# Altium PCB 脑电采集板V4.0.PcbDoc (part 1 of 2)
Units mil, origin at the board's own origin, x right, y up, seen from the top; angles counter-clockwise.
Board outline 2559.06 x 2362.2 mil, 2 copper layers (Top Layer, Bottom Layer); 141 components, 98 nets, 603 pads, 267 vias.
Unrouted connection lines stored in the file: 86.
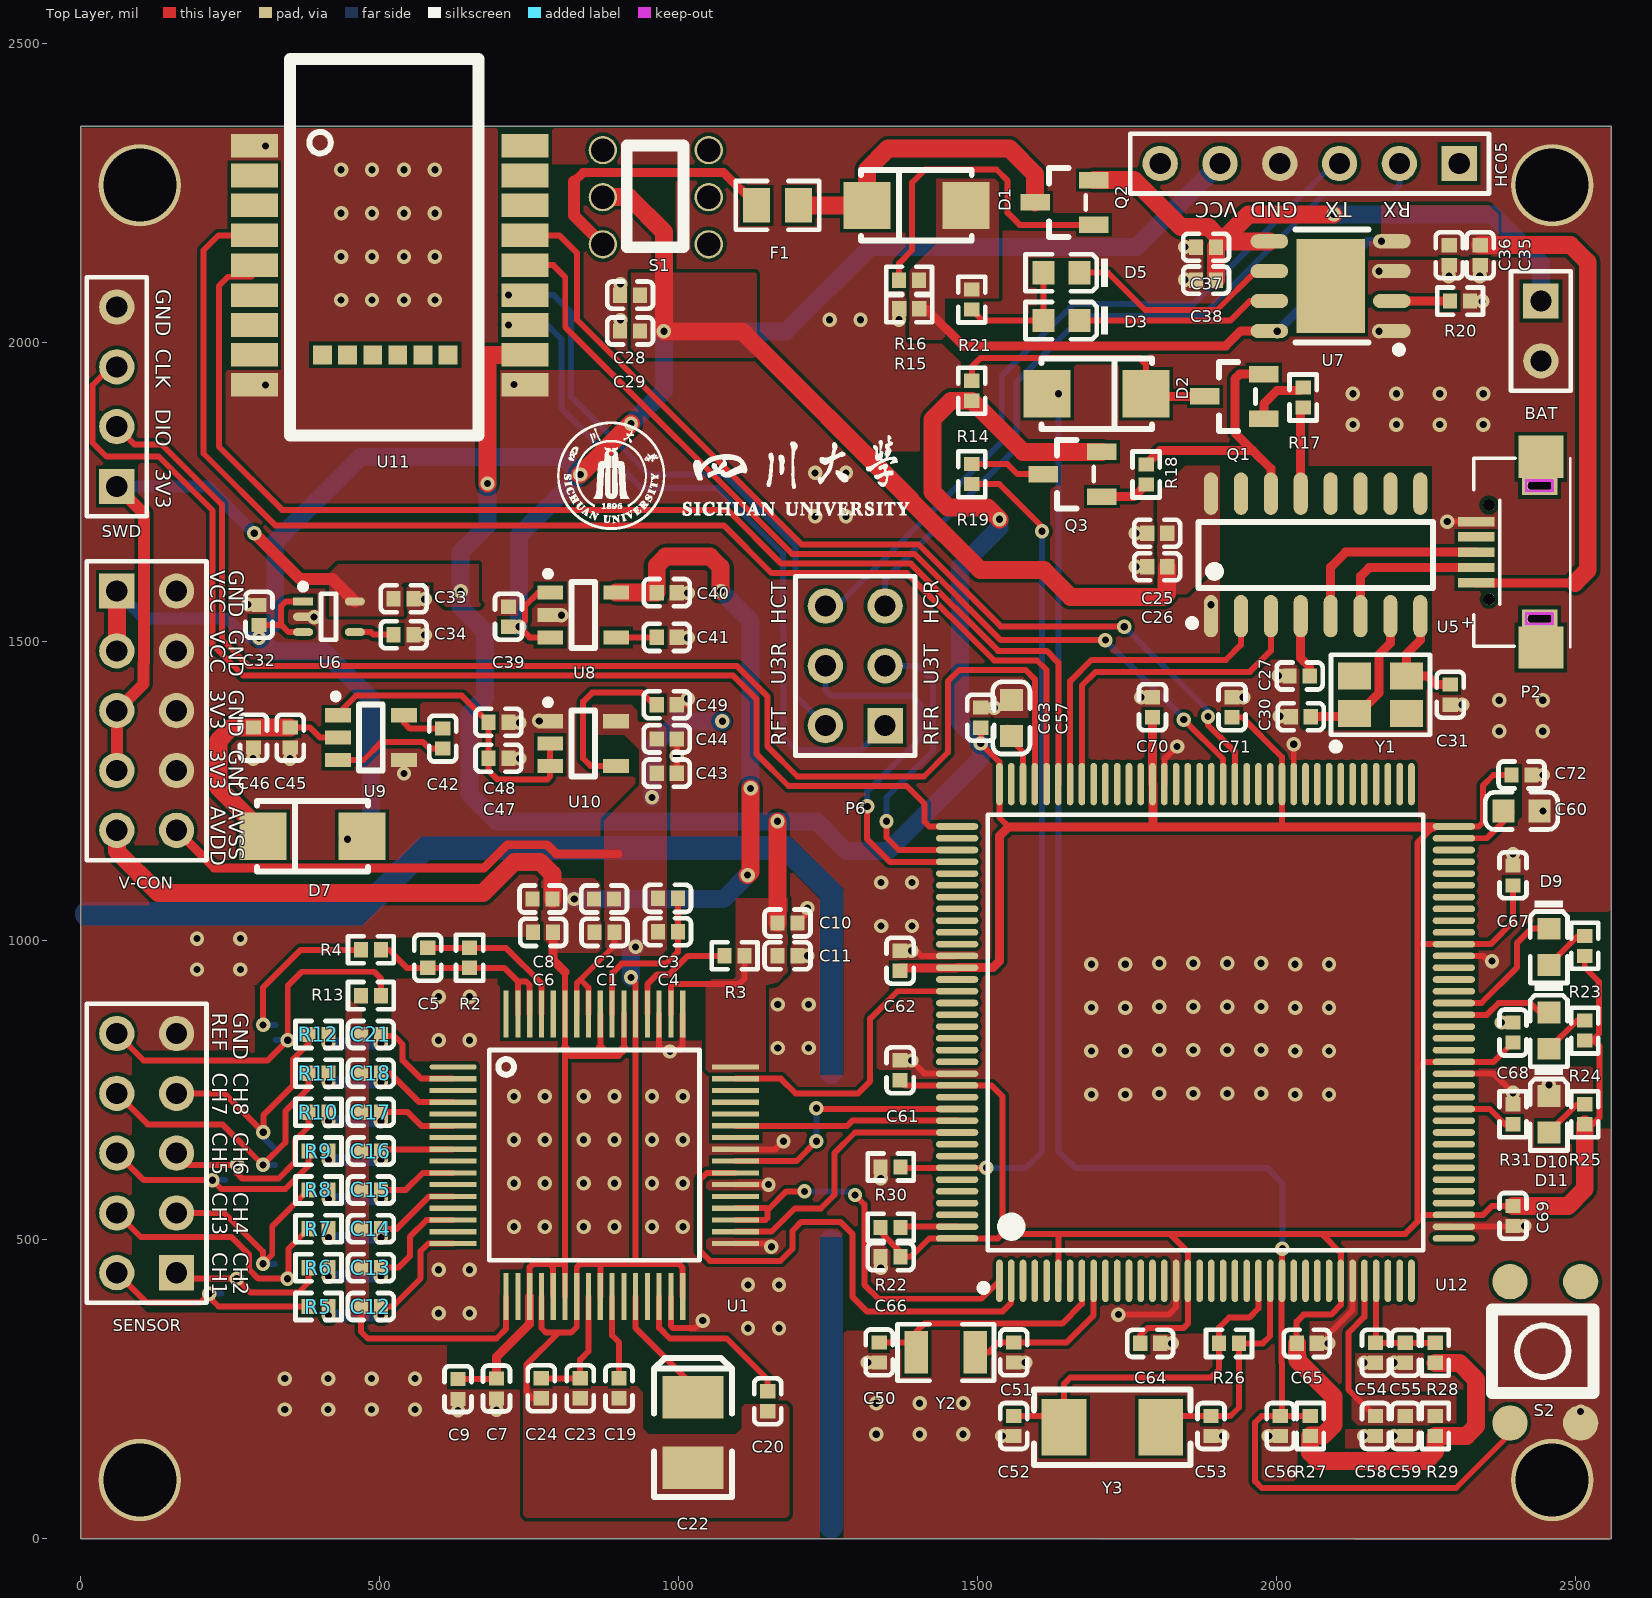
[diagram p0: Top Layer view]
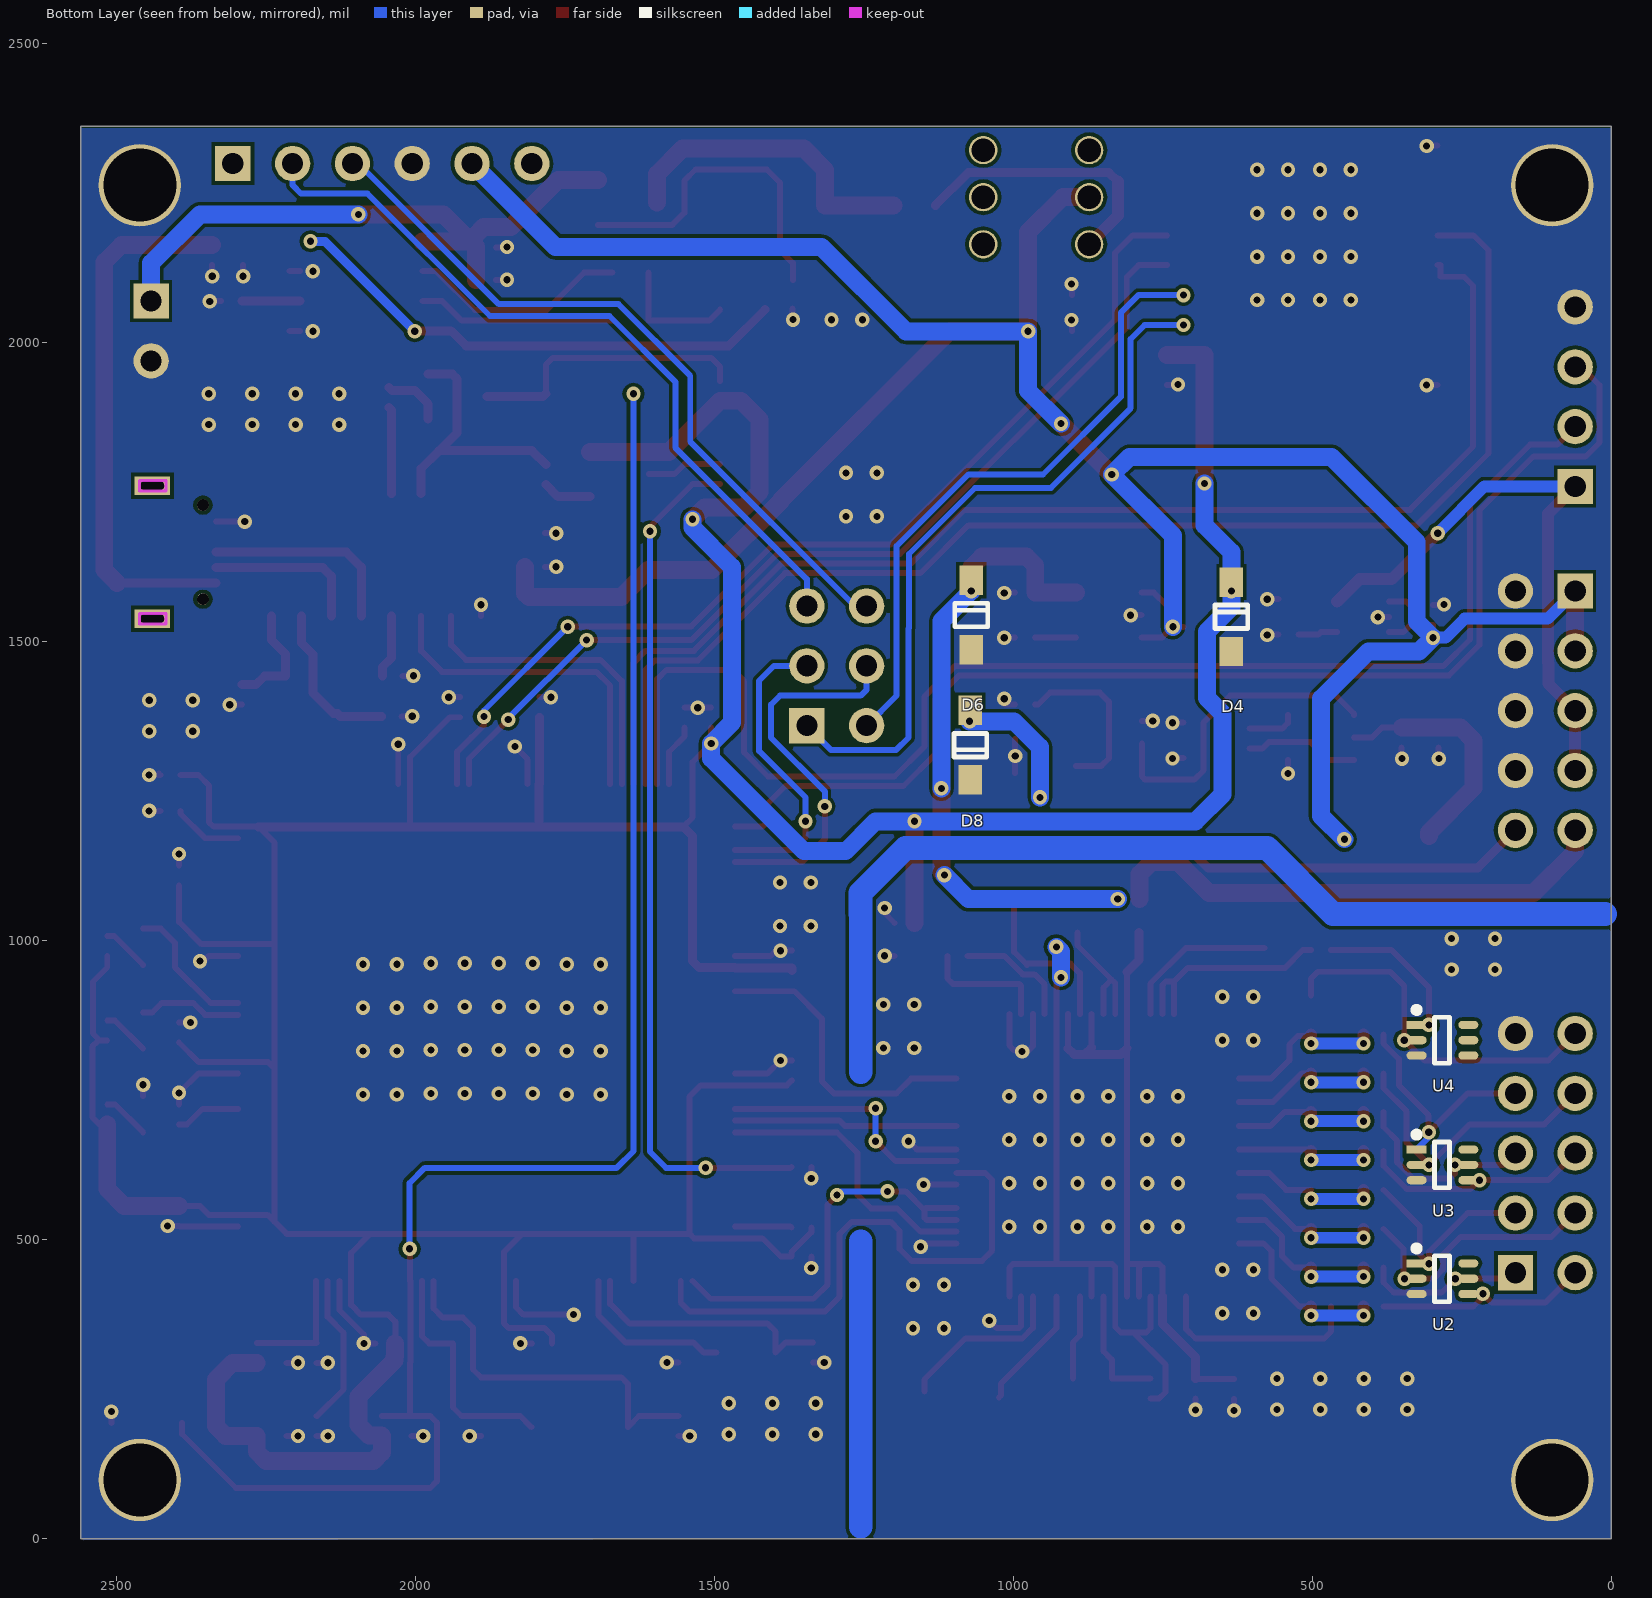
[diagram p1: Bottom Layer view, seen from below]
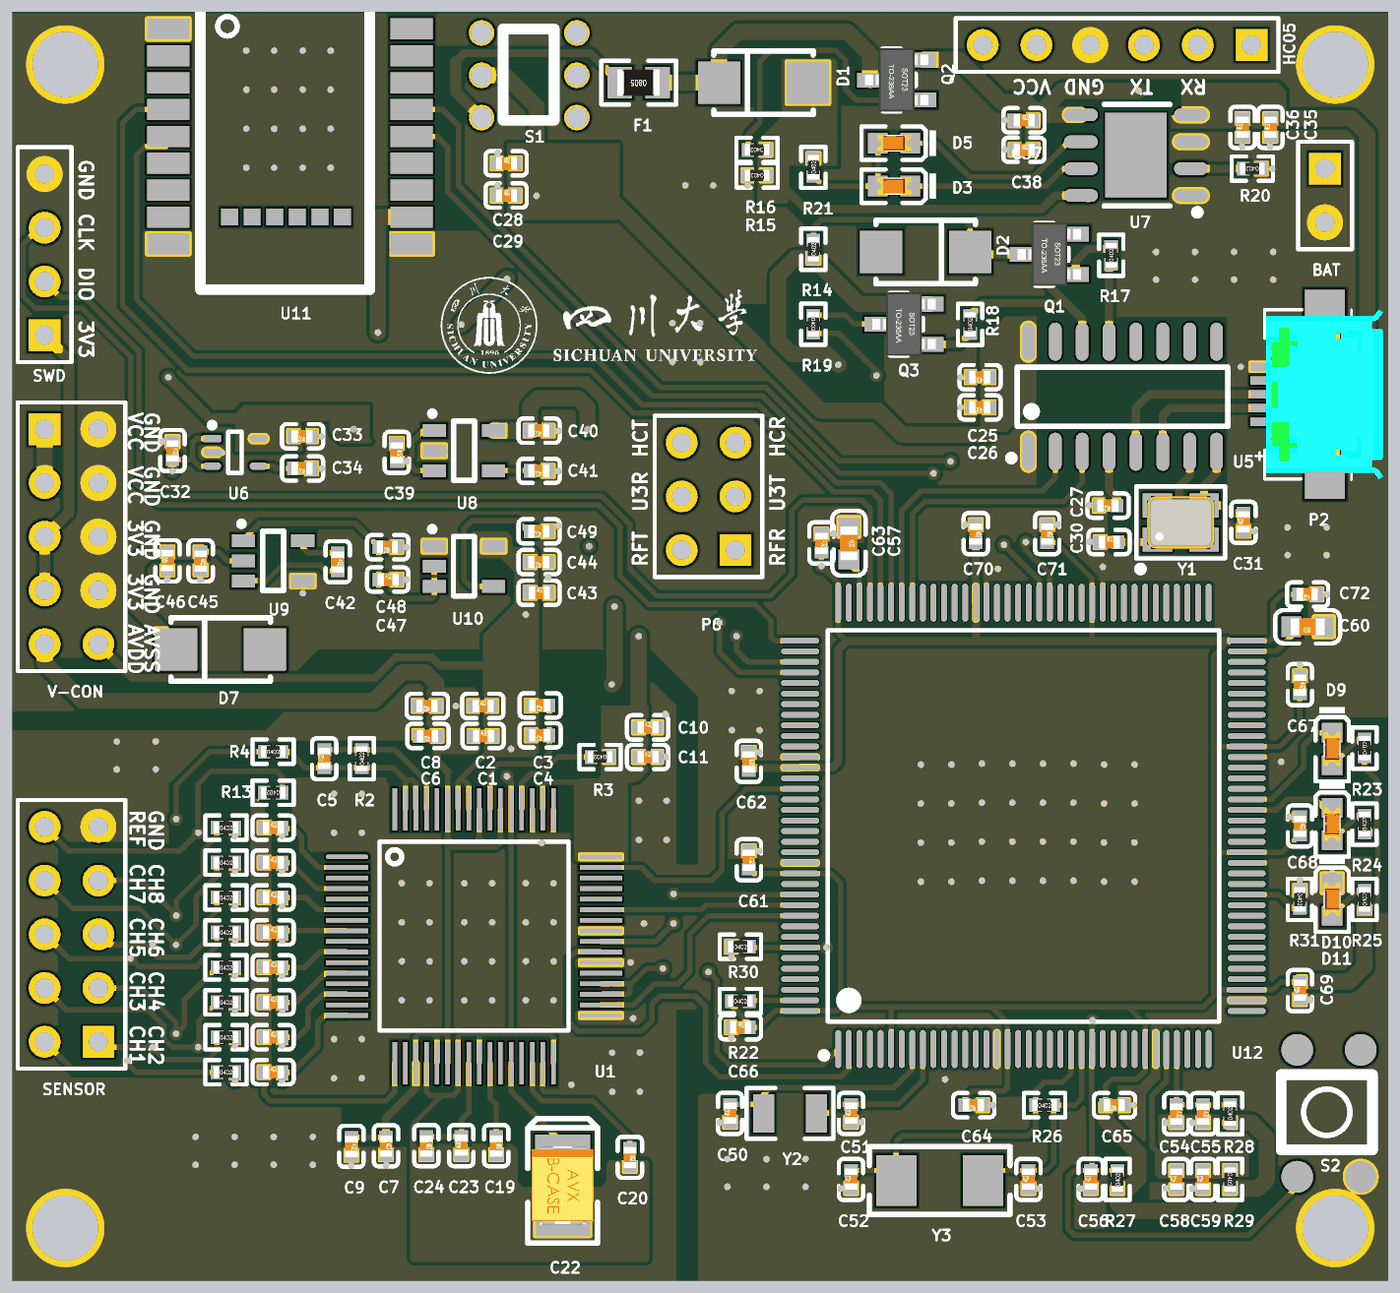
[diagram p3: 3D render of the assembled board from above, using the file's embedded part models]
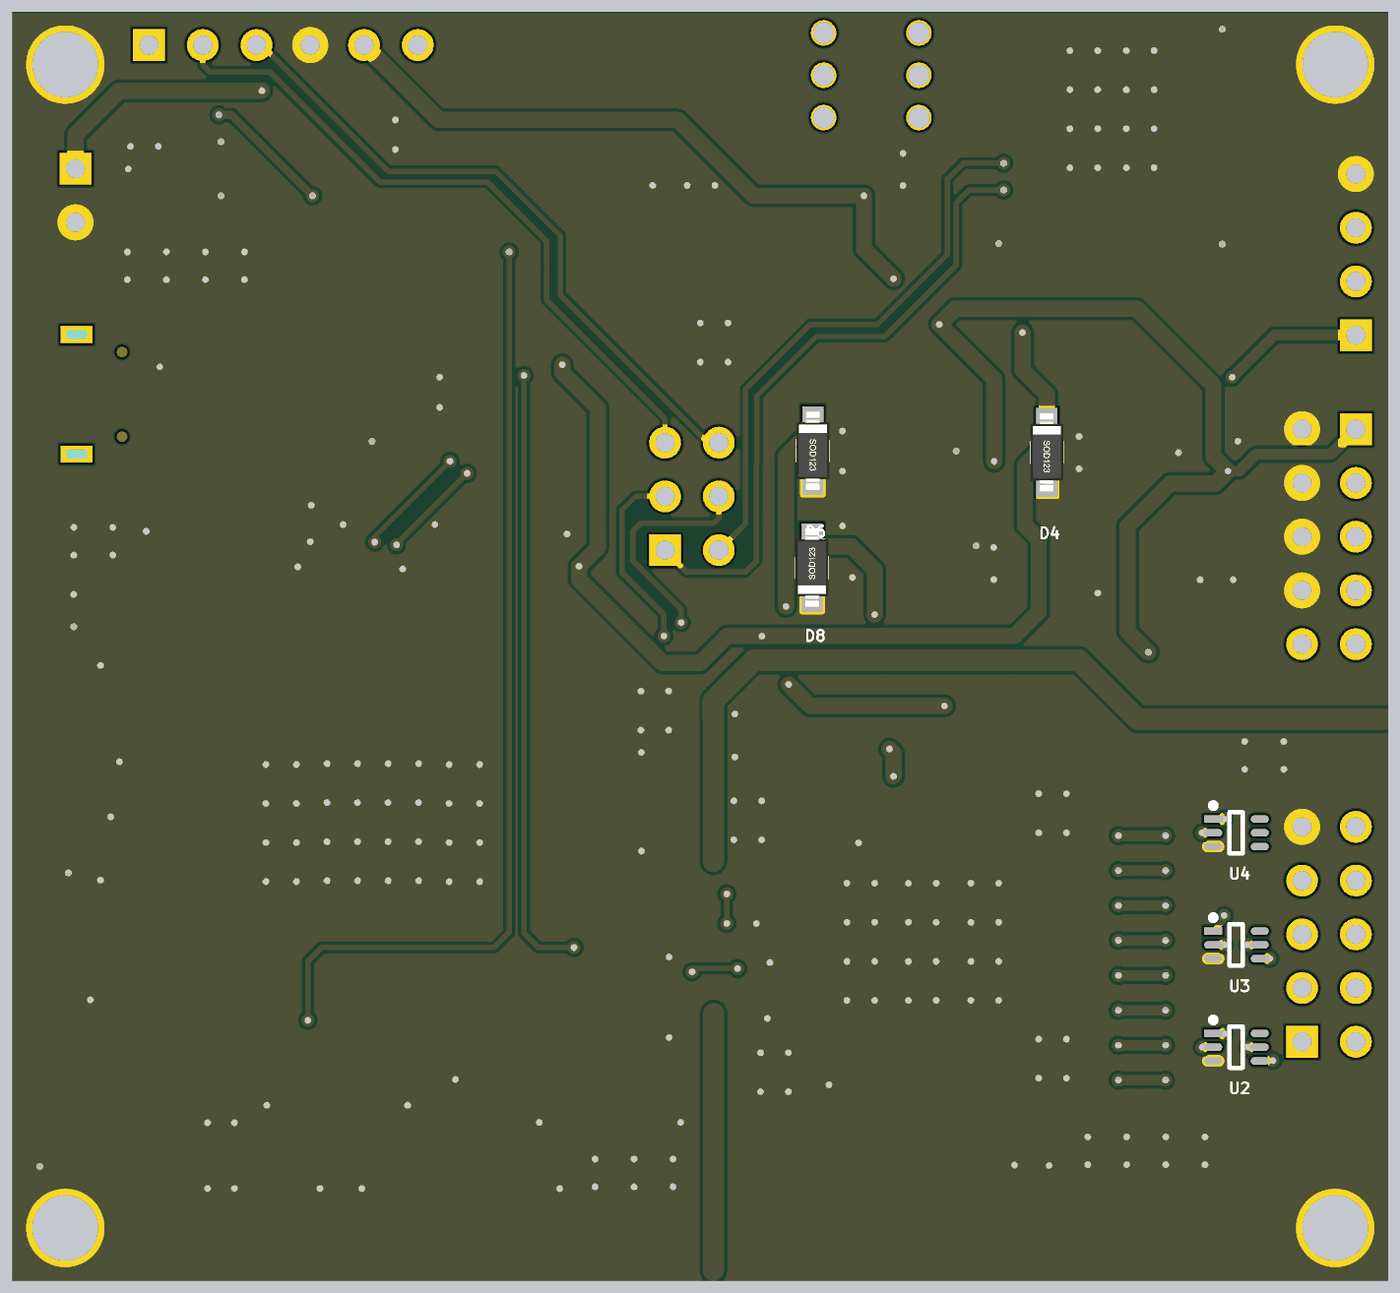
[diagram p4: 3D render of the assembled board from below, using the file's embedded part models]

## Layer stack, top to bottom
Top Solder: solder mask 0.4, Solder Resist, Dk 3.5
Top Layer: signal copper 1.4
Dielectric 1: dielectric 12.6, FR-4, Dk 4.8
Bottom Layer: signal copper 1.4
Bottom Solder: solder mask 0.4, Solder Resist, Dk 3.5

## Board outline
0,0 2559.06,0 2559.06,2362.2 0,2362.2

## Design rules (kind name [scope] priority, off if disabled: settings)
Clearance [All] p1: gap=6 ignorepadtopadclearanceinfootprint=FALSE
HoleSize [All] p1: absolutevalues=TRUE maxlimit=236.22 minlimit=11.81 maxpercent=80.000 minpercent=20.000
PlaneConnect [All] p1: planeconnectstyle=Direct reliefexpansion=20 reliefentries=4 reliefconductorwidth=10 reliefairgap=10
PolygonConnect [All] p1: connectstyle=Direct reliefconductorwidth=10 reliefentries=4 polygonreliefangle="90 Angle" airgapwidth=10
RoutingVias [All] p1: holewidth=28 width=50 viastyle="Through Hole" minholewidth=28 minwidth=50 maxholewidth=28 maxwidth=50
SolderMaskExpansion [All] p1: expansion=4
Width [All] p1: maxlimit=40 minlimit=6 preferedwidth=10
28 further rules are at their usual default settings.

## Classes and differential pairs
component class STM32F4: C50 C51 C52 C53 C54 C55 C56 C57 C58 C59 C60 C61 C62 C63 C64 C65 C66 C67 C68 C69 C70 C71 C72 D9 D10 D11 R22 R23 R24 R25 R26 R27 R28 R29 R30 R31 S2 U12 Y2 Y3
component class pwr: BAT C25 C26 C27 C28 C29 C30 C31 C32 C33 C34 C35 C36 C37 C38 C39 C40 C41 C42 C43 C44 C45 C46 C47 C48 C49 D1 D2 D3 D4 D5 D6 D7 D8 F1 Q1 Q2 Q3 R14 R15 R16 R17 R18 R19 R20 R21 S1 SENSOR U5 U6 U7 U8 U9 U10 Y1
component class EEG: BAT C1 C2 C3 C4 C5 C6 C7 C8 C9 C10 C11 C12 C13 C14 C15 C16 C17 C18 C19 C20 C21 C22 C23 C24 HC05 P2 P6 R2 R3 R4 R5 R6 R7 R8 R9 R10 R11 R12 R13 SENSOR U1 U2 U3 U4
component class ble: SENSOR U11

## Components (designator, comment, footprint, x,y, rotation, side; value= is the part's Value field where it differs from the comment)
BAT "battery" HDR1X2 2441.65,2070 r270 top (schematic designator P4)
C1 "1uF 50V" 0402_C 875.64,1014.24 r0 top
C2 "100nF 50V" 0402_C 874.99,1070 r0 top
C3 "1uF 50V" 0402_C 981.75,1071.07 r180 top
C4 "100nF 50V" 0402_C 981.75,1015.32 r180 top
C5 "1.5nF" 0402_C 580,971.73 r90 top
C6 "1uF 50V" 0402_C 773.03,1014.24 r180 top
C7 "100nF 50V" 0402_C 695,251.42 r270 top
C8 "1uF 50V" 0402_C 771.73,1070 r180 top
C9 "100nF 50V" 0402_C 630.63,250.47 r270 top
C10 "1uF 50V" 0402_C 1181.73,1030 r0 top
C11 "100nF 50V" 0402_C 1181.73,975 r0 top
C12 "1nF (102) 10% 50V" 0402_C 485,388.49 r0 top
C13 "1nF (102) 10% 50V" 0402_C 485,453.49 r0 top
C14 "1nF (102) 10% 50V" 0402_C 485,518.49 r0 top
C15 "1nF (102) 10% 50V" 0402_C 485,583.49 r0 top
C16 "1nF (102) 10% 50V" 0402_C 485,648.49 r0 top
C17 "1nF (102) 10% 50V" 0402_C 485,713.49 r0 top
C18 "1nF (102) 10% 50V" 0402_C 485,778.48 r0 top
C19 "1uF 50V" 0402_C 900,251.73 r270 top
C20 "1uF 50V" 0402_C 1148.57,230 r270 top
C21 "1nF (102) 10% 50V" 0402_C 485,843.49 r0 top
C22 "100uF (107) ±10% 6.3V" CASE-B_3528 1023.57,177.68 r90 top
C23 "10uF" 0402_C 835,251.73 r90 top
C24 "100nF 50V" 0402_C 770,251.73 r270 top
C25 "10uF (106) 10% 10V" 0402_C 1800,1681.86 r180 top
C26 "100nF (104) 10% 50V" 0402_C 1800,1625.55 r180 top
C27 "100nF" 0402_C 2038.27,1442.99 r180 top
C28 "100nF" 0402_C 918.46,2080 r0 top
C29 "10uF" 0402_C 918.46,2020 r0 top
C30 "22pF" 0402_C 2040,1375 r0 top
C31 "22pF" 0402_C 2290,1411.73 r90 top
C32 "1uF" 0402_C 297.9,1545.28 r270 top
C33 "1uF" 0402_C 539.79,1572.01 r180 top
C34 "1nF" 0402_C 539.79,1512.01 r180 top
C35 "100nF" 0402_C 2340,2146.73 r90 top
C36 "10uF" 0402_C 2288.27,2146.73 r90 top
C37 "10uF" 0402_C 1881.73,2160 r0 top
C38 "100nF" 0402_C 1881.73,2105.08 r0 top
C39 "1uF" 0402_C 714.98,1542.01 r270 top
C40 "1uF" 0402_C 979.79,1582.4 r180 top
C41 "1nF" 0402_C 979.79,1507.6 r180 top
C42 "1uF" 0402_C 605.12,1338.27 r270 top
C43 "1uF" 0402_C 979.8,1280.55 r0 top
C44 "10nF" 0402_C 979.8,1337.78 r180 top
C45 "1uF" 0402_C 350.12,1340 r270 top
C46 "10nF" 0402_C 288.6,1340 r90 top
C47 "1uF" 0402_C 698.25,1305.49 r0 top
C48 "10nF" 0402_C 698.25,1365.49 r180 top
C49 "1nF" 0402_C 979.8,1395 r180 top
C50 "10pF" 0402_C 1335,311.73 r90 top
C51 "10pF" 0402_C 1560,311.73 r90 top
C52 "22pF" 0402_C 1560,188.7 r90 top
C53 "22pF" 0402_C 1890,188.7 r90 top
C54 "10uF  10V" 0402_C 2165,311.1 r270 top
C55 "100nF  50V" 0402_C 2215,311.1 r270 top
C56 "100nF  50V" 0402_C 2005.83,188.7 r90 top
C57 "2.2uF 16V" 0603_C 1556.06,1372.81 r270 top
C58 "10uF  10V" 0402_C 2165,188.7 r90 top
C59 "100nF  50V" 0402_C 2215,188.7 r90 top
C60 "2.2uF (225) 10% 16V" 0603_C 2409.25,1217.4 r180 top
C61 "100nF  50V" 0402_C 1370,783.58 r270 top
C62 "100nF  50V" 0402_C 1370,966.85 r270 top
C63 "100nF  50V" 0402_C 1505,1373.27 r270 top
C64 "100nF  50V" 0402_C 1788.27,326.85 r180 top
C65 "100nF  50V" 0402_C 2050,326.85 r180 top
C66 "100nF  50V" 0402_C 1354.25,471.85 r0 top
C67 "100nF  50V" 0402_C 2395,1109.65 r270 top
C68 "100nF  50V" 0402_C 2395,846.73 r270 top
C69 "100nF  50V" 0402_C 2395,540 r90 top
C70 "100nF  50V" 0402_C 1792.13,1390.75 r270 top
C71 "100nF  50V" 0402_C 1925,1390.75 r270 top
C72 "100nF  50V" 0402_C 2409.25,1277.4 r180 top
D1 "SS210" SMA(DO-214AC)_S1 1397.32,2230 r0 top
D2 "SS210" SMA(DO-214AC)_S1 1698.7,1915 r180 top
D3 "红灯 0603" 0603_LED_S1 1640,2037.4 r180 top
D4 "MMSZ4685T1G(3.6V)" SOD-123 635,1542.01 r270 bottom
D5 "绿灯 0603" 0603_LED_S1 1640,2117.4 r180 top
D6 "MMSZ4683T1G(3V)" SOD-123 1069.98,1545 r270 bottom
D7 "SS210" SMA(DO-214AC)_S1 387.32,1175 r0 top
D8 "MMSZ4683T1G(3V)" SOD-123 1071.52,1327.28 r90 bottom
D9 "绿灯 0603" 0603_LED_S1 2455,990 r270 top
D10 "绿灯 0603" 0603_LED_S1 2455,850 r270 top
D11 "红灯 0603" 0603_LED_S1 2455,710 r270 top
F1 "Fuse 1A" 0805_R 1165,2230 r180 top
HC05 "HC-05_CON" HDR1X6 2305,2300 r180 top (schematic designator P5)
P2 "USB" MICRO-USB 2420,1650 r90 top
P6 "蓝牙选择" HDR2X3 1345,1360 r90 top
Q1 "SS8050 Y1" SOT-23(SOT-23-3) 1929.02,1910.55 r0 top
Q2 "BSS84LT1G" SOT-23(SOT-23-3) 1645,2235 r0 top
Q3 "SS8550 Y2" SOT-23(SOT-23-3) 1658.39,1780.55 r0 top
R2 "1MΩ" 0402_R 650,971.73 r90 top
R3 "10KΩ" 0402_R 1093.27,975 r180 top
R4 "100KΩ" 0402_R 485,985 r0 top
R5 "2.2KΩ (2201) ±1%" 0402_R 397.32,388.49 r0 top
R6 "2.2KΩ (2201) ±1%" 0402_R 397.32,453.49 r0 top
R7 "2.2KΩ (2201) ±1%" 0402_R 397.32,518.49 r0 top
R8 "2.2KΩ (2201) ±1%" 0402_R 397.32,583.49 r0 top
R9 "2.2KΩ (2201) ±1%" 0402_R 397.32,648.49 r0 top
R10 "2.2KΩ (2201) ±1%" 0402_R 397.32,713.49 r0 top
R11 "2.2KΩ (2201) ±1%" 0402_R 397.32,778.49 r0 top
R12 "2.2KΩ (2201) ±1%" 0402_R 397.32,843.49 r0 top
R13 "2.2KΩ (2201) ±1%" 0402_R 485,908.49 r180 top
R14 "10KΩ" 0402_R 1490,1920 r90 top
R15 "100KΩ" 0402_R 1385.35,2057.4 r180 top
R16 "100KΩ" 0402_R 1385.13,2105 r180 top
R17 "1KΩ (1001) ±1%" 0402_R 2044.02,1908.82 r90 top
R18 "1KΩ (1001) ±1%" 0402_R 1781.46,1780 r90 top
R19 "1KΩ (1001) ±1%" 0402_R 1490,1780.55 r270 top
R20 "1.2KΩ" 0402_R 2306.54,2070 r180 top
R21 "1KΩ" 0402_R 1490,2072.4 r90 top
R22 "0Ω" 0402_R 1354.25,520.79 r0 top
R23 "510Ω" 0402_R 2515,991.73 r90 top
R24 "510Ω" 0402_R 2515,850 r90 top
R25 "1KΩ" 0402_R 2515,710 r90 top
R26 "1MΩ" 0402_R 1920,326.85 r0 top
R27 "10K" 0402_R 2055.83,188.7 r90 top
R28 "10Ω" 0402_R 2265,311.1 r90 top
R29 "10Ω (10R0) ±1%" 0402_R 2265,188.7 r270 top
R30 "10K" 0402_R 1354.25,621.85 r0 top
R31 "10K" 0402_R 2395,710 r270 top
S1 "SW-PB" KEY_5.8*5.8 872.83,2165 r0 top
S2 "SW-PB" key_4.5*4.5*3.8 2390,193.78 r90 top
SENSOR "信号采集端口" HDR2X5 160,445 r90 top (schematic designator P1)